# Altium PCB nova34_sketch.PcbDoc (part 4 of 4)
Units mm, origin at the board's own origin, x right, y up, seen from the top; angles counter-clockwise.
Board outline 34.12 x 31.07 mm, 8 copper layers (Top Layer, Int1 (Sign), Int2 (GND), Int3 (Sign), Int4 (Sign), Int5 (PWR), Int6 (Sign), Bottom Layer), stack 1.535 mm thick; 262 components, 287 nets, 1203 pads, 347 vias.
Unrouted connection lines stored in the file: 198.
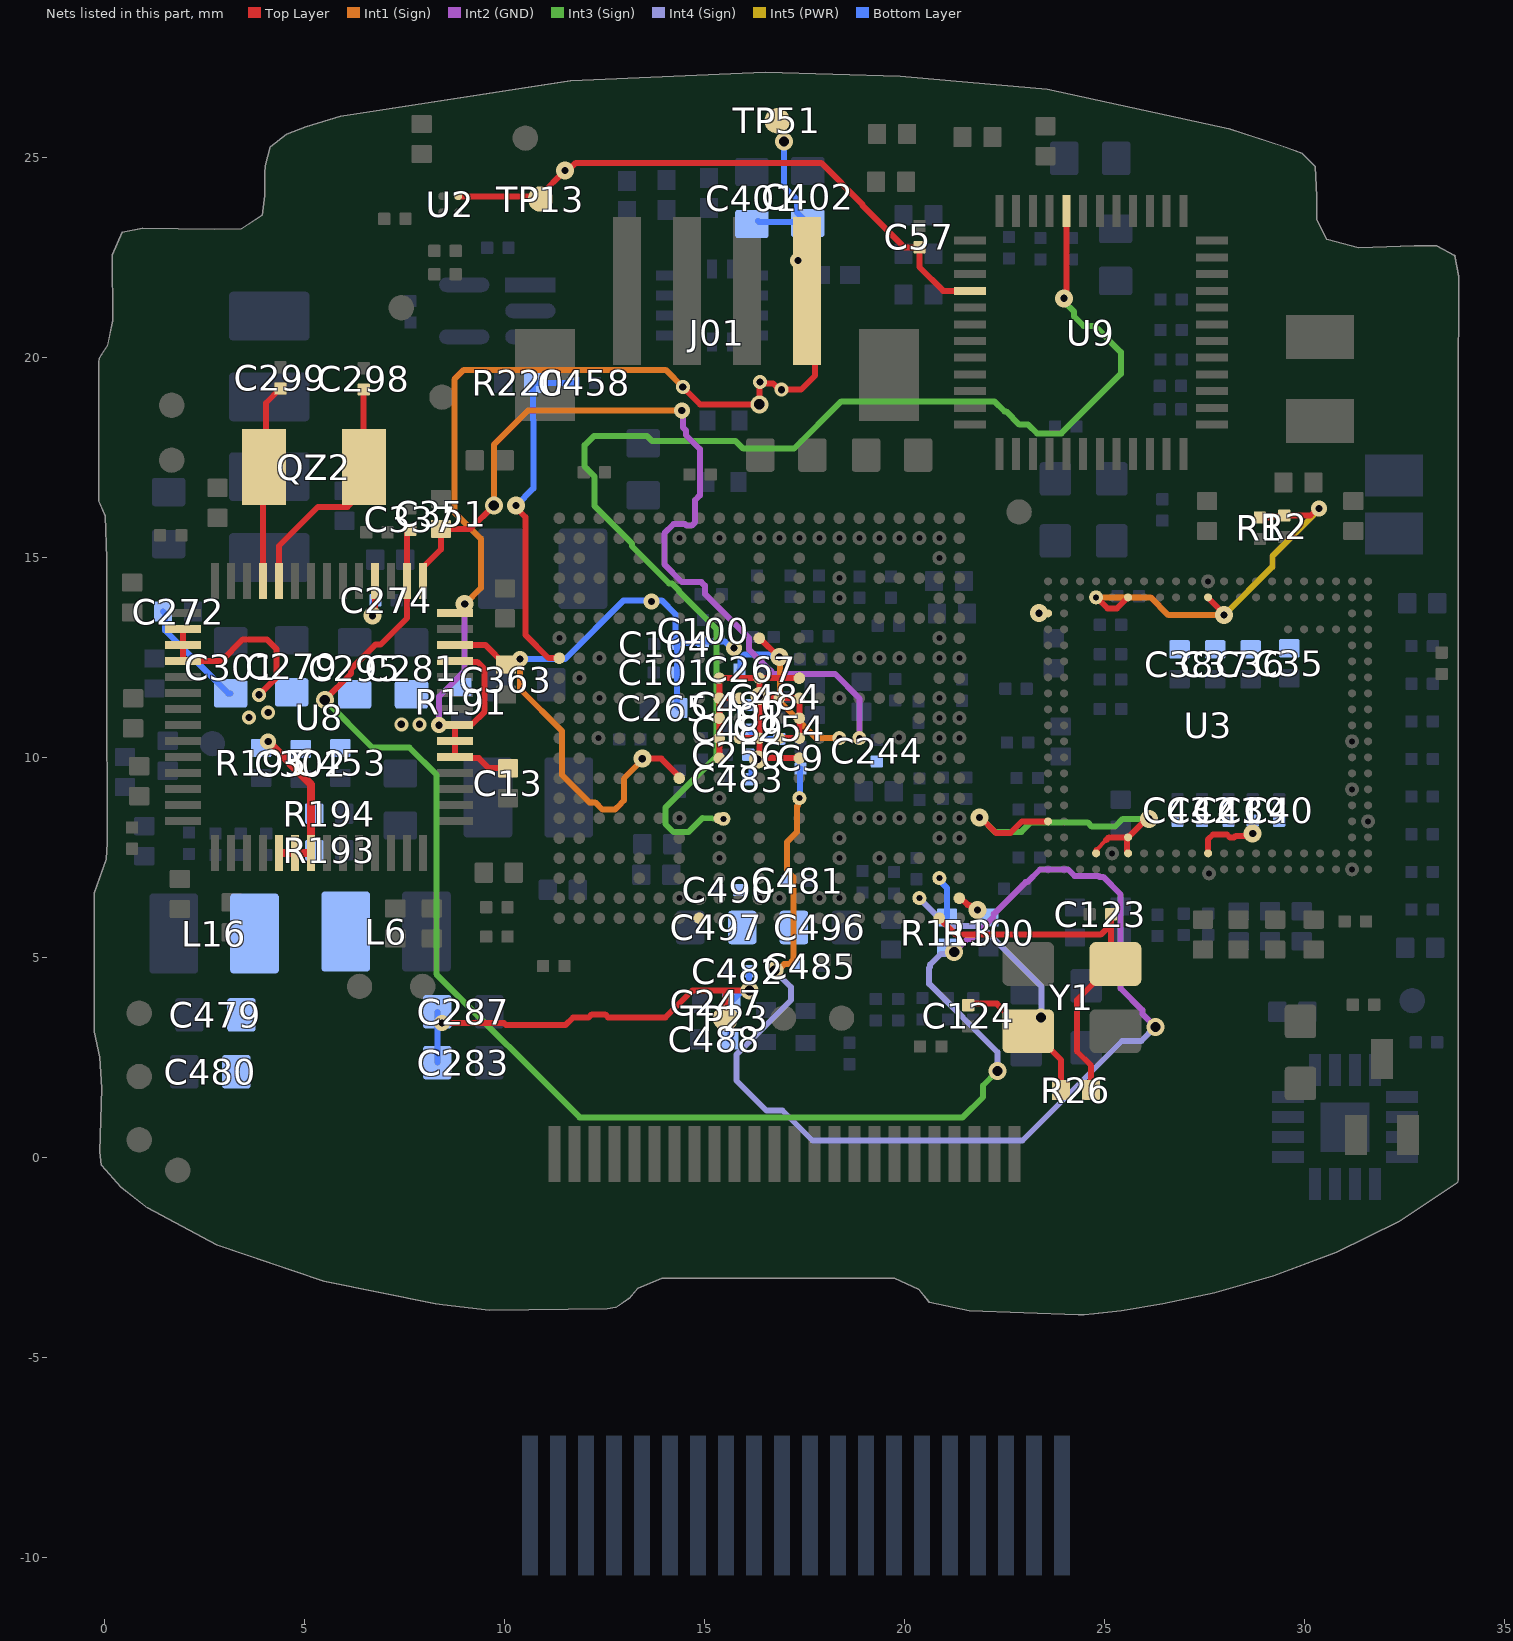
[diagram p10: the nets of this part, all layers, seen from the top]

## Via types
v1: diameter 0.45, hole 0.18, Top Layer to Bottom Layer, tented both sides, 190 vias
v2: diameter 0.4, hole 0.18, Top Layer to Bottom Layer, tented both sides, 77 vias
v3: diameter 0.45, hole 0.254, Top Layer to Bottom Layer, tented both sides, 62 vias
v4: diameter 0.35, hole 0.18, Top Layer to Bottom Layer, tented both sides, 8 vias
v5: diameter 0.2, hole 0.1, Top Layer to Bottom Layer, 6 vias
v6: diameter 0.2, hole 0.15, Top Layer to Bottom Layer, 2 vias
v7: diameter 0.35, hole 0.15, Top Layer to Bottom Layer, tented both sides, 2 vias

## Nets (pads, with @x,y where several pads share a name; then routed paths per layer and width w, separated by ;. In a path a pad name is that pad's centre, name@x,y a point inside that pad or via, vN(x,y) a via of type N, cw(c..) or ccw(c..) an arc to the next point about the centre after c; other vN are vias at no path point) (continued)
VDD_ARM: C35.1 C36.1 C37.1 C38.1 C39.1 C40.1 C41.1 C42.1 C43.1 pad.66 R1.1 R2.1 U3.AA3 U3.AA16 U3.L2 U3.L18 U3.T2 U3.T18 U3.V2 U3.V18 | length 20.8
  Top Layer w0.1: U3.V18@24.794,7.681 25.035,7.922 25.035,7.925
  Top Layer w0.15: v1(21.868,8.49) 21.898,8.49 22.281,8.107 22.646,8.107 22.933,8.395 U3.AA16@23.584,8.395 ; v1(23.359,13.597) U3.AA3@23.584,13.596 ; U3.V18@24.784,7.595 24.794,7.605 U3.V18@24.794,7.681 ; U3.V2@24.784,13.995 24.793,13.995 25.07,13.718 25.308,13.718 U3.T2@25.584,13.995 U3.T2@25.594,13.985 ; 25.035,7.925 25.105,7.995 U3.T18@25.584,7.995 ; U3.T18@25.584,7.595 25.584,7.609 25.56,7.633 25.56,7.957 25.584,7.981 U3.T18@25.584,7.995 ; v1(26.111,8.458) 26.056,8.458 25.593,7.995 U3.T18@25.584,7.995 ; U3.L18@27.584,7.595 27.584,7.942 27.707,8.065 28.057,8.065 28.132,7.99 28.238,7.99 28.282,8.034 28.643,8.034 v1(28.7,8.091) ; U3.L2@27.584,13.995 27.584,13.981 27.983,13.583 v1(27.983,13.55) ; R1.1@28.88,15.99 29.189,15.99 29.216,16.017 29.466,16.017 R2.1@29.489,16.04 30.146,16.04 30.323,16.218 v2(30.359,16.218)
  Int3 (Sign) w0.15: v1(21.868,8.49) 21.898,8.49 22.255,8.133 22.916,8.133 23.15,8.367 24.576,8.367 24.68,8.262 25.257,8.262 25.453,8.458 v1(26.111,8.458)
  Int1 (Sign) w0.15: pad.66@24.784,13.995 26.147,13.995 26.593,13.55 v1(27.983,13.55)
  Int5 (PWR) w0.15: v1(27.983,13.55) 29.192,14.758 29.192,15.018 30.359,16.186 v2(30.359,16.218)
VDD_PHY_1V2: C244.1 C351.1 pad.16 U1.F12 U8.1 | length 22.1
  Top Layer w0.15: U8.1@7.959,14.398 7.959,14.748 8.407,15.196 C351.1@8.407,15.678 ; v3(9.728,16.288) 9.143,15.703 C351.1@8.382,15.703 ; C351.1@8.382,15.703 C351.1@8.407,15.678 ; C351.1@8.382,15.703 C351.1@8.407,15.678 ; C351.1@8.382,15.703 C351.1@8.407,15.678 ; C351.1@8.382,15.703 C351.1@8.407,15.678 ; C351.1@8.382,15.703 C351.1@8.407,15.678 ; C351.1@8.382,15.703 C351.1@8.407,15.678
  Int2 (GND) w0.15: v2(14.427,18.669) 14.454,18.642 14.454,18.244 14.529,18.169 14.529,18.052 14.878,17.703 14.878,16.544 14.764,16.429 14.764,15.875 14.676,15.787 14.552,15.787 14.513,15.826 14.221,15.826 13.99,15.595 13.99,14.818 14.434,14.374 14.916,14.374 15.004,14.286 15.004,14.082 16.114,12.972 16.114,12.689 16.63,12.173 16.64,12.173 16.735,12.078 17.565,12.078 18.261,12.077 18.867,11.471 pad.16@18.867,10.474
  Int1 (Sign) w0.15: v3(9.728,16.288) 9.728,17.81 10.587,18.669 v2(14.427,18.669)
VDD_SNVS_0V8: C9.1 C337.1 pad.44 R113.1 U1.J15 U8.2 | length 64.3
  Top Layer w0.15: v3(5.503,11.43) 6.163,12.09 6.163,12.209 6.765,12.811 6.897,12.811 7.559,13.474 U8.2@7.559,14.398 7.559,15.649 C337.1@7.595,15.684
  Int2 (GND) w0.15: v3(21.239,5.131) 21.241,5.131 21.558,5.448 21.664,5.448 22.225,6.009 22.225,6.076 23.024,6.874 23.068,6.874 23.385,7.19 24.087,7.19 24.246,7.031 24.848,7.031 24.875,7.005 24.961,7.005 25.4,6.566 25.4,4.216 25.942,3.674 25.942,3.582 v3(26.267,3.256)
  Int3 (Sign) w0.15: v3(5.503,11.43) 6.693,10.24 7.616,10.24 8.298,9.558 8.298,8.338 8.294,8.335 8.294,4.574 11.874,0.995 21.451,0.995 21.957,1.501 21.957,1.79 v3(22.318,2.15)
  Int1 (Sign) w0.15: v3(16.745,4.662) 16.826,4.662 16.989,4.826 17.114,4.826 17.219,4.931 17.219,7.003 17.053,7.168 17.053,7.874 17.311,8.132 17.311,8.777 17.329,8.794 17.329,8.936 pad.44@17.367,8.974
  Int4 (Sign) w0.15: v3(16.745,4.662) 17.159,4.248 17.159,3.925 15.794,2.56 15.794,1.916 16.544,1.166 16.945,1.166 17.695,0.416 22.947,0.416 25.435,2.904 25.915,2.904 v3(26.267,3.256) ; v3(21.239,5.131) 21.182,5.073 20.896,5.073 20.633,4.81 20.633,4.748 20.614,4.728 20.614,4.332 22.318,2.628 v3(22.318,2.15)
  Bottom Layer w0.15: pad.44@17.367,8.974 17.383,8.99 17.383,9.699 C9.1@17.399,9.715
VDD_SOC_0V9: C247.1 C254.1 C256.1 C283.1 C287.1 C479.1 C480.1 C481.1 C482.1 C483.1 C484.1 C485.1 C486.1 C488.1 C489.1 C490.1 C496.1 C497.1 L6.2 L16.2 R193.1 R194.2 TP23.1 U1.J9 U1.J10 U1.J11 U1.J12 U1.J13 U1.K10 U1.K12 U1.L9 U1.L10 U1.L12 U1.L13 U1.M10 U1.M12 U1.N9 U1.N10 U1.N11 U1.N12 U1.N13 | length 35.2
  Top Layer w0.15: v2(8.433,3.353) 9.981,3.353 10.036,3.297 11.517,3.297 11.71,3.491 12.102,3.491 12.179,3.568 12.512,3.568 12.589,3.491 14.015,3.491 14.691,4.166 15.526,4.166 ; U1.N13@15.367,9.974 U1.N12@15.367,10.474 U1.N11@15.367,10.974 U1.N10@15.367,11.474 ; TP23.1@15.519,3.474 15.526,3.481 15.526,4.166 ; U1.M12@15.867,10.474 U1.L12@16.367,10.474 ; U1.M10@15.867,11.474 U1.N10@15.367,11.474 ; v3(16.118,4.166) 15.526,4.166 ; v1(16.329,9.944) 16.337,9.944 U1.L13@16.367,9.974 ; 16.694,9.992 16.685,9.983 16.376,9.983 U1.L13@16.367,9.974 ; 16.717,9.974 U1.J13@17.367,9.974 ; U1.K12@16.867,10.474 U1.J12@17.367,10.474 U1.J11@17.367,10.974 U1.J10@17.367,11.474 U1.K10@16.867,11.474 ; U1.J9@17.367,11.974 U1.L9@16.367,11.974 ; U1.N10@15.367,11.474 U1.N9@15.367,11.974 U1.L9@16.367,11.974 ; U1.L13@16.367,9.974 U1.L12@16.367,10.474 ; U1.L12@16.367,10.474 U1.L10@16.367,11.474 ; U1.L10@16.367,11.474 U1.L10@16.367,11.523 ; U1.L10@16.367,11.474 U1.L10@16.367,11.523 ; U1.L10@16.367,11.474 U1.L9@16.367,11.974 ; U1.L10@16.367,11.474 U1.L10@16.367,11.523 ; U1.L10@16.367,11.474 U1.K10@16.867,11.474 ; U1.L10@16.367,11.474 U1.K10@16.867,11.474 ; U1.L10@16.367,11.474 U1.K10@16.867,11.474 ; U1.L10@16.367,11.474 U1.K10@16.867,11.474 ; U1.L10@16.367,11.474 U1.L10@16.367,11.523 ; U1.L10@16.367,11.474 U1.K10@16.867,11.474 ; U1.L10@16.367,11.474 U1.K10@16.867,11.474 ; U1.L10@16.367,11.474 U1.L10@16.367,11.523 ; U1.L10@16.367,11.523 v1(16.37,11.523) ; U1.L10@16.367,11.523 v1(16.37,11.523) ; U1.L10@16.367,11.523 v1(16.37,11.523) ; U1.L10@16.367,11.523 v1(16.37,11.523) ; U1.L10@16.367,11.523 U1.L9@16.367,11.974 ; U1.L10@16.367,11.523 U1.L9@16.367,11.974 ; U1.L10@16.367,11.523 U1.L9@16.367,11.974 ; U1.L10@16.367,11.523 v1(16.37,11.523) ; U1.L10@16.367,11.523 U1.L9@16.367,11.974 ; U1.L10@16.367,11.523 U1.L9@16.367,11.974 ; U1.L10@16.367,11.523 v1(16.37,11.523)
  Bottom Layer w0.15: C488.1@15.615,2.946 15.64,2.972 15.64,3.835 C247.1@15.666,3.861 15.666,3.886 15.888,4.108 ; C482.1@16.091,4.648 16.105,4.635 16.105,4.18 v3(16.118,4.166) ; C483.1@16.091,9.449 16.169,9.526 16.169,9.703 16.329,9.863 v1(16.329,9.944) ; C489.1@16.091,10.693 16.333,10.452 C254.1@16.866,10.452 ; C283.1@8.316,2.362 C287.1@8.316,3.632 ; C283.1@8.316,2.362 C287.1@8.316,3.632 ; C283.1@8.316,2.362 C287.1@8.316,3.632 ; C283.1@8.316,2.362 C287.1@8.316,3.632 ; C283.1@8.316,2.362 C287.1@8.316,3.632 ; C283.1@8.316,2.362 C287.1@8.316,3.632
VDDA_1V8: C100.1 C101.1 C104.1 C265.1 C267.1 C363.1 pad.42 U1.G12 U1.L7 U1.R14 U8.54 | length 30.6
  Top Layer w0.15: U8.54@8.759,12.798 9.522,12.798 10.008,12.313 C363.1@10.033,12.313 ; v1(13.441,9.96) 13.919,9.96 14.367,9.512 U1.R14@14.367,9.474 ; U1.L7@16.367,12.974 16.381,12.974 16.852,12.502 v1(16.866,12.502)
  Int1 (Sign) w0.15: v2(10.384,12.449) 10.384,11.702 11.438,10.648 11.438,9.55 12.117,8.871 12.262,8.871 12.445,8.688 12.757,8.688 12.907,8.838 12.907,8.844 12.977,8.914 12.977,9.465 13.441,9.929 v1(13.441,9.96) ; v1(16.866,12.502) 16.887,12.481 16.887,11.378 17.791,10.474 pad.42@18.367,10.474
  Bottom Layer w0.15: v2(10.384,12.449) 11.509,12.449 12.977,13.917 v2@13.647,13.917 ; v2@13.735,13.917 13.924,13.917 14.271,13.57 C104.1@14.271,12.827 ; C265.1@14.345,11.227 C265.1@14.308,11.264 ; v2(15.737,12.724) 15.669,12.724 15.503,12.89 C100.1@14.961,12.89 14.929,12.859 14.303,12.859 C104.1@14.271,12.827 ; C267.1@15.874,12.192 15.898,12.215 15.898,12.465 16.001,12.568 16.614,12.568 16.645,12.537 16.832,12.537 v1(16.866,12.502) ; v2@13.647,13.917 v2@13.683,13.881 ; v2@13.647,13.917 v2@13.683,13.881 ; v2@13.647,13.917 v2@13.683,13.881 ; v2@13.647,13.917 v2@13.683,13.881 ; v2@13.647,13.917 v2@13.683,13.881 ; v2@13.647,13.917 v2@13.683,13.881 ; C104.1@14.271,12.827 C104.1@14.308,12.79 ; C265.1@14.308,11.264 14.308,12.116 C104.1@14.308,12.79 ; C265.1@14.308,11.264 C104.1@14.308,12.79 ; C265.1@14.308,11.264 C104.1@14.308,12.79 ; C265.1@14.308,11.264 C104.1@14.308,12.79 ; C265.1@14.308,11.264 C104.1@14.308,12.79 ; C265.1@14.308,11.264 C104.1@14.308,12.79
  other v2: 13.674,13.89
VINT: C274.2 U8.4 | length 1.3
  Top Layer w0.15: v1(6.698,13.536) 6.698,13.617 6.759,13.679 U8.4@6.759,14.398
  Bottom Layer w0.15: v1(6.698,13.536) 6.734,13.572 6.734,13.884 C274.2@6.769,13.919
VSYS_5V: C13.1 C272.1 C279.1 C281.1 C295.1 C301.1 C302.1 C401.2 C402.2 C453.1 J01.1 R191.2 R195.2 TP51.1 U8.16 U8.17 U8.18 U8.33 U8.34 U8.35 U8.47 U8.48 U8.49 U8.53 U8.56 | length 59.1
  Top Layer w0.15: U8.16@1.959,13.198 U8.17@1.959,12.798 U8.18@1.959,12.398 2.91,12.398 3.455,12.943 4.056,12.943 4.29,12.708 4.29,11.986 v4(3.861,11.557) ; U8.53@8.759,12.398 8.777,12.381 9.311,12.381 9.5,12.192 9.5,11.139 9.184,10.823 8.784,10.823 U8.49@8.759,10.798 U8.48@8.759,10.398 U8.47@8.759,9.998 8.784,9.973 9.354,9.973 9.605,9.722 C13.1@10.084,9.722 ; U8.56@8.759,13.598 8.977,13.598 9.002,13.623 v1(9.002,13.825) ; v4(14.453,19.253) 14.884,18.821 v3@16.29,18.821 ; v4(16.919,19.185) 17.407,19.185 ; v2(17.336,22.412) 17.52,22.412 J01.1@17.757,22.174 ; v3@16.29,18.821 v3@16.328,18.86 ; v3@16.29,18.821 v3@16.328,18.86 ; v3@16.29,18.821 v3@16.328,18.86 ; v3@16.29,18.821 v3@16.328,18.86 ; v3@16.29,18.821 v3@16.328,18.86 ; v3@16.29,18.821 v3@16.328,18.86 ; v3@16.29,18.821 v3@16.328,18.86 ; v3@16.29,18.821 v3@16.375,18.906 ; v3@16.29,18.821 v3@16.328,18.86 ; v3@16.29,18.821 v3@16.328,18.86 ; v3@16.328,18.86 v3@16.375,18.906 ; v3@16.328,18.86 v3@16.375,18.906 ; v3@16.328,18.86 v3@16.375,18.906 ; v3@16.328,18.86 v3@16.375,18.906 ; v3@16.328,18.86 v3@16.375,18.906 ; v3@16.328,18.86 v3@16.375,18.906 ; v3@16.328,18.86 v3@16.375,18.906 ; v3@16.328,18.86 v3@16.375,18.906 ; v3@16.328,18.86 v3@16.375,18.906 ; v3@16.375,18.906 16.375,19.372 v4(16.383,19.38) 16.421,19.342 16.708,19.342 16.865,19.185 17.407,19.185 ; 17.407,19.185 17.757,19.535 ; 17.757,19.535 J01.1@17.757,22.174 ; 17.757,19.535 J01.1@17.757,22.174 ; 17.757,19.535 J01.1@17.757,22.174 ; 17.757,19.535 J01.1@17.757,22.174 ; 17.757,19.535 J01.1@17.757,22.174 ; 17.757,19.535 J01.1@17.757,22.174
  Top Layer w0.2: v2(4.089,10.389) 5.159,9.319 U8.35@5.159,7.598 U8.34@4.759,7.598 U8.33@4.359,7.598
  Int2 (GND) w0.15: v2(8.36,10.797) 8.36,11.516 9.002,12.157 v1(9.002,13.825)
  Int1 (Sign) w0.15: v1(9.002,13.825) 9.403,14.227 9.403,15.463 8.742,16.124 8.742,19.445 8.978,19.68 14.026,19.68 v4(14.453,19.253)
  Bottom Layer w0.15: C272.1@1.46,13.64 1.512,13.588 1.512,13.167 3.086,11.593 C301.1@3.15,11.593 ; C401.2@16.332,23.404 16.358,23.378 C402.2@17.551,23.378 ; v3@16.981,25.386 16.981,24.266 17.304,23.943 17.304,23.626 C402.2@17.551,23.378 ; v2(17.336,22.412) 17.336,23.112 C402.2@17.577,23.353 C402.2@17.551,23.378
  other v3: 16.366,18.821 16.982,25.387
  other v4: 7.417,10.82 7.874,10.82 3.607,10.987 4.089,11.114
WDOG_B: C458.1 R220.1 U1.AA8 | length 8.7
  Top Layer w0.15: v1(10.287,16.288) 10.287,16.231 10.516,16.002 10.516,13.056 11.097,12.474 U1.AA8@11.367,12.474
  Bottom Layer w0.15: v1(10.287,16.288) 10.719,16.72 10.719,18.417 10.713,18.423 R220.1@10.713,19.355 C458.1@11.722,19.355
WIFI_1V8: C57.1 TP13.1 U2.A2 U9.28 | length 14.8
  Top Layer w0.15: U2.A2@8.839,24.022 8.849,24.012 TP13.1@10.836,24.012 ; TP13.1@10.897,23.952 10.897,24.054 v1(11.506,24.663) 11.587,24.663 11.779,24.855 17.911,24.855 18.952,23.813 18.952,23.787 19.993,22.745 C57.1@20.371,22.745 20.371,22.25 20.964,21.657 U9.28@21.634,21.657
WL_WAKE_DEV: U1.P21
WL_WAKE_HOST: pad.46 U1.N16 U9.20 | length 33.1
  Top Layer w0.15: v1@23.927,21.412 v1(23.985,21.47) 24.042,21.528 U9.20@24.042,23.647
  Int3 (Sign) w0.15: pad.46@15.469,8.458 14.943,8.474 14.591,8.123 14.221,8.123 14.015,8.329 14.015,8.735 15.298,10.017 15.298,13.201 14.357,14.142 14.357,14.167 14.178,14.346 14.109,14.346 13.178,15.277 13.178,15.343 12.248,16.274 12.248,17.013 12.001,17.26 12.001,17.799 12.235,18.033 13.557,18.033 13.689,17.901 15.776,17.901 15.967,17.71 17.235,17.71 18.42,18.895 22.243,18.895 22.495,18.644 22.538,18.644 22.869,18.312 23.09,18.312 23.31,18.092 23.915,18.092 25.406,19.583 25.406,20.124 24.75,20.78 24.472,20.78 24.236,21.015 24.236,21.137 23.985,21.389 v1(23.985,21.47)
XIN_32K: C298.1 QZ2.2 U8.10 | length 16.2
  Top Layer w0.15: U8.10@4.359,14.398 4.359,15.281 5.334,16.256 6.07,16.256 6.533,16.72 6.533,17.12 QZ2.2@6.477,17.176 ; QZ2.2@6.477,17.176 C298.1@6.477,19.189 ; QZ2.2@6.477,17.176 C298.1@6.477,19.189 ; QZ2.2@6.477,17.176 C298.1@6.477,19.189 ; QZ2.2@6.477,17.176 C298.1@6.477,19.189 ; QZ2.2@6.477,17.176 C298.1@6.477,19.189 ; QZ2.2@6.477,17.176 C298.1@6.477,19.189
XOUT_32K: C299.1 QZ2.1 U8.11 | length 13.7
  Top Layer w0.15: U8.11@3.959,14.398 3.959,17.046 QZ2.1@4.033,17.12 ; C299.1@4.394,19.215 4.033,18.854 ; QZ2.1@4.033,17.12 4.033,18.854 ; QZ2.1@4.033,17.12 4.033,18.854 ; QZ2.1@4.033,17.12 4.033,18.854 ; QZ2.1@4.033,17.12 4.033,18.854 ; QZ2.1@4.033,17.12 4.033,18.854 ; QZ2.1@4.033,17.12 4.033,18.854
XTALI_24M: C123.1 R26.1 U1.B21 Y1.3 | length 9.6
  Top Layer w0.15: U1.B21@20.867,5.974 21.279,5.563 24.901,5.563 25.136,5.798 ; R26.1@24.657,1.676 24.657,2.292 24.308,2.642 24.308,3.932 25.204,4.828 Y1.3@25.271,4.828 25.159,4.94 25.159,5.798 C123.1@25.159,6.071
XTALI_32K: R100.2 U1.A20 | length 0.6
  Top Layer w0.15: U1.A20@21.367,6.474 21.405,6.474 21.573,6.306 21.612,6.306 21.743,6.176 v1(21.824,6.176)
XTALO_24M: C124.1 pad.9 R26.2 U1.C20 Y1.1 | length 8.2
  Top Layer w0.15: 21.76,3.835 22.303,3.835 22.991,3.148 Y1.1@23.091,3.148 23.191,3.148 23.907,2.431 R26.2@23.907,1.676
  Int4 (Sign) w0.15: pad.9@20.367,6.474 21.067,5.774 21.914,5.774 23.424,4.264 23.424,3.505 v3(23.408,3.489)
XTALO_32K: pad.21 R113.2 U1.B19 | length 1.1
  Bottom Layer w0.15: pad.21@20.867,6.974 20.867,6.92 21.057,6.73 R113.2@21.057,5.988
pads on no net: CAMERA.1 CAMERA.6 CAMERA.8 CAMERA.9 CAMERA.17 CAMERA.19 CAMERA.21 J01.3 J01.4 J01.S1 J01.S2 LCD.15 LCD.16 LCD.20 U1.N5 U1.P2 U1.R4 U1.R5 U1.T1 U1.T2 U3. U3.A1 U3.A17 U3.A19 U3.AA1 U3.AA10 U3.AA11 U3.AA14 U3.AA19 U3.D1 U3.D2 U3.D18 U3.D19 U3.E1 U3.E2 U3.E18 U3.E19 U3.F18 U3.F19 U3.G18 U3.G19 U3.T U4.2 U4.3 U4.4 U4.9 U4.10 U4.11 U5.5 U5.6 U5.12 U5.13 U9.4 U9.11 U9.15 U9.16 U9.17 U9.36 U9.43 U9.45 U9.46 U9.47
copper on no net:
  other v2: 28.829,9.474

## Polygon pours and split planes (outlines as drawn)
VDD_1V8 on Int2 (GND) "VDD_1V8_L03_P045" (solid, remove dead copper, pour order 45): -3.886,28.499 -3.632,28.245 35.408,28.245 35.408,0.127 31.877,-3.404 -3.759,-3.404
VSYS_5V on Int2 (GND) "VSYS_5V_L03_P000" (solid, pour order 0): 18.212,19.279 9.474,10.541 2.692,10.541 2.692,12.09 3.607,13.005 8.255,13.005 8.255,13.106 14.427,19.279
GND on Top Layer "GND_L01_P052" (solid, pour order 52): -0.082,-0.204 0.411,-0.753 1.073,-1.27 2.792,-2.188 5.481,-3.109 8.272,-3.665 8.456,-3.694 9.623,-3.833 12.563,-3.796 12.78,-3.758 13.115,-3.531 13.332,-3.276 13.937,-3.031 16.477,-3.031 19.751,-3.031 20.346,-3.3 20.615,-3.63 21.614,-3.846 24.335,-3.942 24.488,-3.938 24.732,-3.917 25.416,-3.835 26.45,-3.669 27.75,-3.389 29.228,-2.967 30.797,-2.383 32.37,-1.603 33.794,-0.657 33.833,-0.618 33.844,-0.555 33.844,1.55 33.844,18.973 33.851,22.016 33.752,22.541 33.759,22.537 33.301,22.785 32.746,22.778 31.35,22.739 30.553,22.941 30.303,23.434 30.298,24.004 30.262,24.769 29.934,25.097 29.472,25.265 28.105,25.711 23.563,26.7 21.154,26.905 19.892,27.016 16.517,27.127 11.647,26.907 5.899,26.023 5.034,25.757 4.548,25.57 4.145,25.258 4.01,24.783 3.996,24.595 3.996,24.039 3.936,23.543 3.41,23.204 2.746,23.2 0.946,23.221 0.439,23.125 0.188,22.555 0.202,20.914 0.071,20.287 -0.078,20.064 -0.135,19.961 -0.142,19.88 -0.142,16.394 0.014,16.029 0.05,14.959 0.05,11.905 0.06,7.863 0.039,7.448 -0.266,6.605 -0.266,3.137 -0.121,2.499 -0.071,1.716 -0.117,0.136
VSYS_5V on Top Layer "VSYS_5V_L01_P002" (solid, remove dead copper, pour order 2): 8.077,10.998 9.271,10.998 9.296,11.024 9.322,10.998 9.322,9.881 8.026,9.881 7.112,10.795 7.112,11.024
VSYS_5V on Top Layer "VSYS_5V_L01_P007" (solid, remove dead copper, pour order 7): 9.83,9.493 10.338,9.493 10.338,10.338 9.677,10.998 8.636,10.998 8.357,10.719 8.357,9.881 9.779,9.881 9.83,9.83
VDD_3V3 on Top Layer "VDD_3V3_L01_P042" (solid, pour order 42): 2.438,10.693 2.438,11.303 2.413,11.328 1.422,11.328 1.092,11.659 1.092,12.395 0.279,12.395 0.203,12.471 0.178,12.446 0.178,11.989 0.533,11.989 0.962,11.561 0.962,10.875 1.143,10.693
VDD_ARM on Top Layer "VDD_ARM_L01_P043" (solid, remove dead copper, pour order 43): 28.68,15.79 28.689,15.799 29.997,15.799 29.997,16.459 29.845,16.612 29.743,16.51 28.677,16.51
GND on Bottom Layer "GND_L08_P044" (solid, remove dead copper, pour order 44): -3.803,28.508 -3.549,28.254 35.491,28.254 35.491,0.136 31.961,-3.395 -3.676,-3.395
VDD_3V3 on Bottom Layer "VDD_3V3_L08_P008" (solid, pour order 8): 31.521,3.277 33.223,3.277 33.223,4.14 32.741,4.623 32.741,5.86 32.87,5.989 32.87,14.021 32.668,14.224 31.521,14.224
VDD_ARM on Bottom Layer "VDD_ARM_L08_P011" (solid, remove dead copper, pour order 11): 29.54,7.645 30.505,7.645 30.505,13.513 30.226,13.792 29.515,13.792 29.464,13.792 29.413,13.741 29.413,13.538 29.799,12.615 30.099,12.553 30.099,8.527 29.54,8.527
VDD_3V3 on Bottom Layer "VDD_3V3_L08_P030" (solid, pour order 30): 17.653,11.652 19.177,11.652 19.256,11.573 21.358,11.573 21.514,11.729 21.514,12.217 21.336,12.395 17.653,12.395
VDD_1V8 on Bottom Layer "VDD_1V8_L08_P014" (solid, pour order 14): 24.511,7.632 24.003,7.632 24.003,7.544 23.622,7.163 23.622,6.731 23.419,6.528 22.821,6.528 22.682,6.667 22.377,6.972 22.377,7.061 22.225,7.061 22.073,6.909 22.073,6.604 22.403,6.274 23.853,6.274 24.113,6.013 24.511,6.013
VDD_1V8 on Bottom Layer "VDD_1V8_L08_P012" (solid, pour order 12): 30.18,5.918 30.147,5.886 25.807,5.886 25.654,6.039 25.629,6.013 24.003,6.013 24.003,7.632 24.092,7.721 25.756,7.721 26.289,7.188 26.289,6.604 26.467,6.426 30.175,6.426
VDD_SOC_0V9 on Bottom Layer "VDD_SOC_0V9_L08_P026" (solid, pour order 26): 8.814,1.702 8.814,4.216 7.417,4.216 6.731,4.902 6.731,6.782 6.102,6.782 5.467,7.417 5.467,8.839 4.801,8.839 4.699,8.738 4.699,7.319 4.289,6.909 3.15,6.909 2.819,6.553 2.819,6.426 2.819,1.651
VDD_ARM on Bottom Layer "VDD_ARM_L08_P010" (solid, pour order 10): 26.623,8.611 29.566,8.611 29.743,8.433 29.743,7.645 26.721,7.645 26.619,7.747
VDD_1V8 on Bottom Layer "VDD_1V8_L08_P013" (solid, remove dead copper, pour order 13): 22.751,6.709 22.751,11.935 22.672,12.014 22.073,12.014 22.073,6.909 22.276,6.706
VDD_SOC_0V9 on Bottom Layer "VDD_SOC_0V9_L08_P017" (solid, remove dead copper, pour order 17): 15.757,4.423 15.757,11.503 16.38,11.503 16.383,11.506 16.383,4.419
VDDA_1V8 on Bottom Layer "VDDA_1V8_L08_P018" (solid, remove dead copper, pour order 18): 14.116,10.973 14.116,12.982 14.072,13.027 14.135,13.09 15.376,13.09 16.074,12.392 16.074,11.992 15.929,11.992 15.672,11.735 15.164,11.735 14.808,11.379 14.808,10.973
VSYS_5V on Bottom Layer "VSYS_5V_L08_P019" (solid, remove dead copper, pour order 19): 2.718,12.04 9.169,12.04 9.373,11.836 9.373,11.582 9.169,11.379 8.407,11.379 8.153,11.125 8.153,10.592 7.563,10.001 3.639,10.001 2.718,10.922 2.718,11.506
SWOUT_3V3 on Bottom Layer "SWOUT_3V3_L08_P020" (solid, remove dead copper, pour order 20): 3.277,10.223 2.45,11.049 1.249,11.049 1.243,10.131 2.365,10.131 2.642,9.855 3.277,9.855
VDD_3V3 on Bottom Layer "VDD_3V3_L08_P022" (solid, remove dead copper, pour order 22): 22.406,22.8 27.372,22.8 27.686,23.114 27.686,25.502 27.559,25.629 24.968,25.629 24.79,25.451 24.79,24.359 23.8,23.368 22.403,23.368
VDD_3V3 on Bottom Layer "VDD_3V3_L08_P023" (solid, remove dead copper, pour order 23): 1.194,15.748 5.182,15.748 5.182,14.097 2.946,14.097 2.286,14.757 1.194,14.757
VSYS_5V on Bottom Layer "VSYS_5V_L08_P024" (solid, pour order 24): 15.85,23.876 18.72,23.876 18.72,22.885 18.593,22.758 15.957,22.758 15.87,22.846
VDD_3V3 on Bottom Layer "VDD_3V3_L08_P025" (solid, remove dead copper, pour order 25): 12.7,24.13 15.418,24.13 15.418,24.994 15.316,25.095 12.725,25.095 12.675,25.044
VDD_SOC_0V9 on Bottom Layer "VDD_SOC_0V9_L08_P029" (solid, pour order 29): 15.596,3.912 17.599,3.912 17.599,6.378 17.154,6.823 17.154,7.293 17.202,7.341 17.202,7.849 16.055,7.849 15.891,7.685 15.891,6.519 15.545,6.172 15.545,5.06 15.596,5.01